# Altium PCB PCB.PcbDoc
Units mm, origin at the board's own origin, x right, y up, seen from the top; angles counter-clockwise.
Board outline 80 x 100 mm, 2 copper layers (Top Layer, Bottom Layer); 80 components, 52 nets, 339 pads, 13 vias.
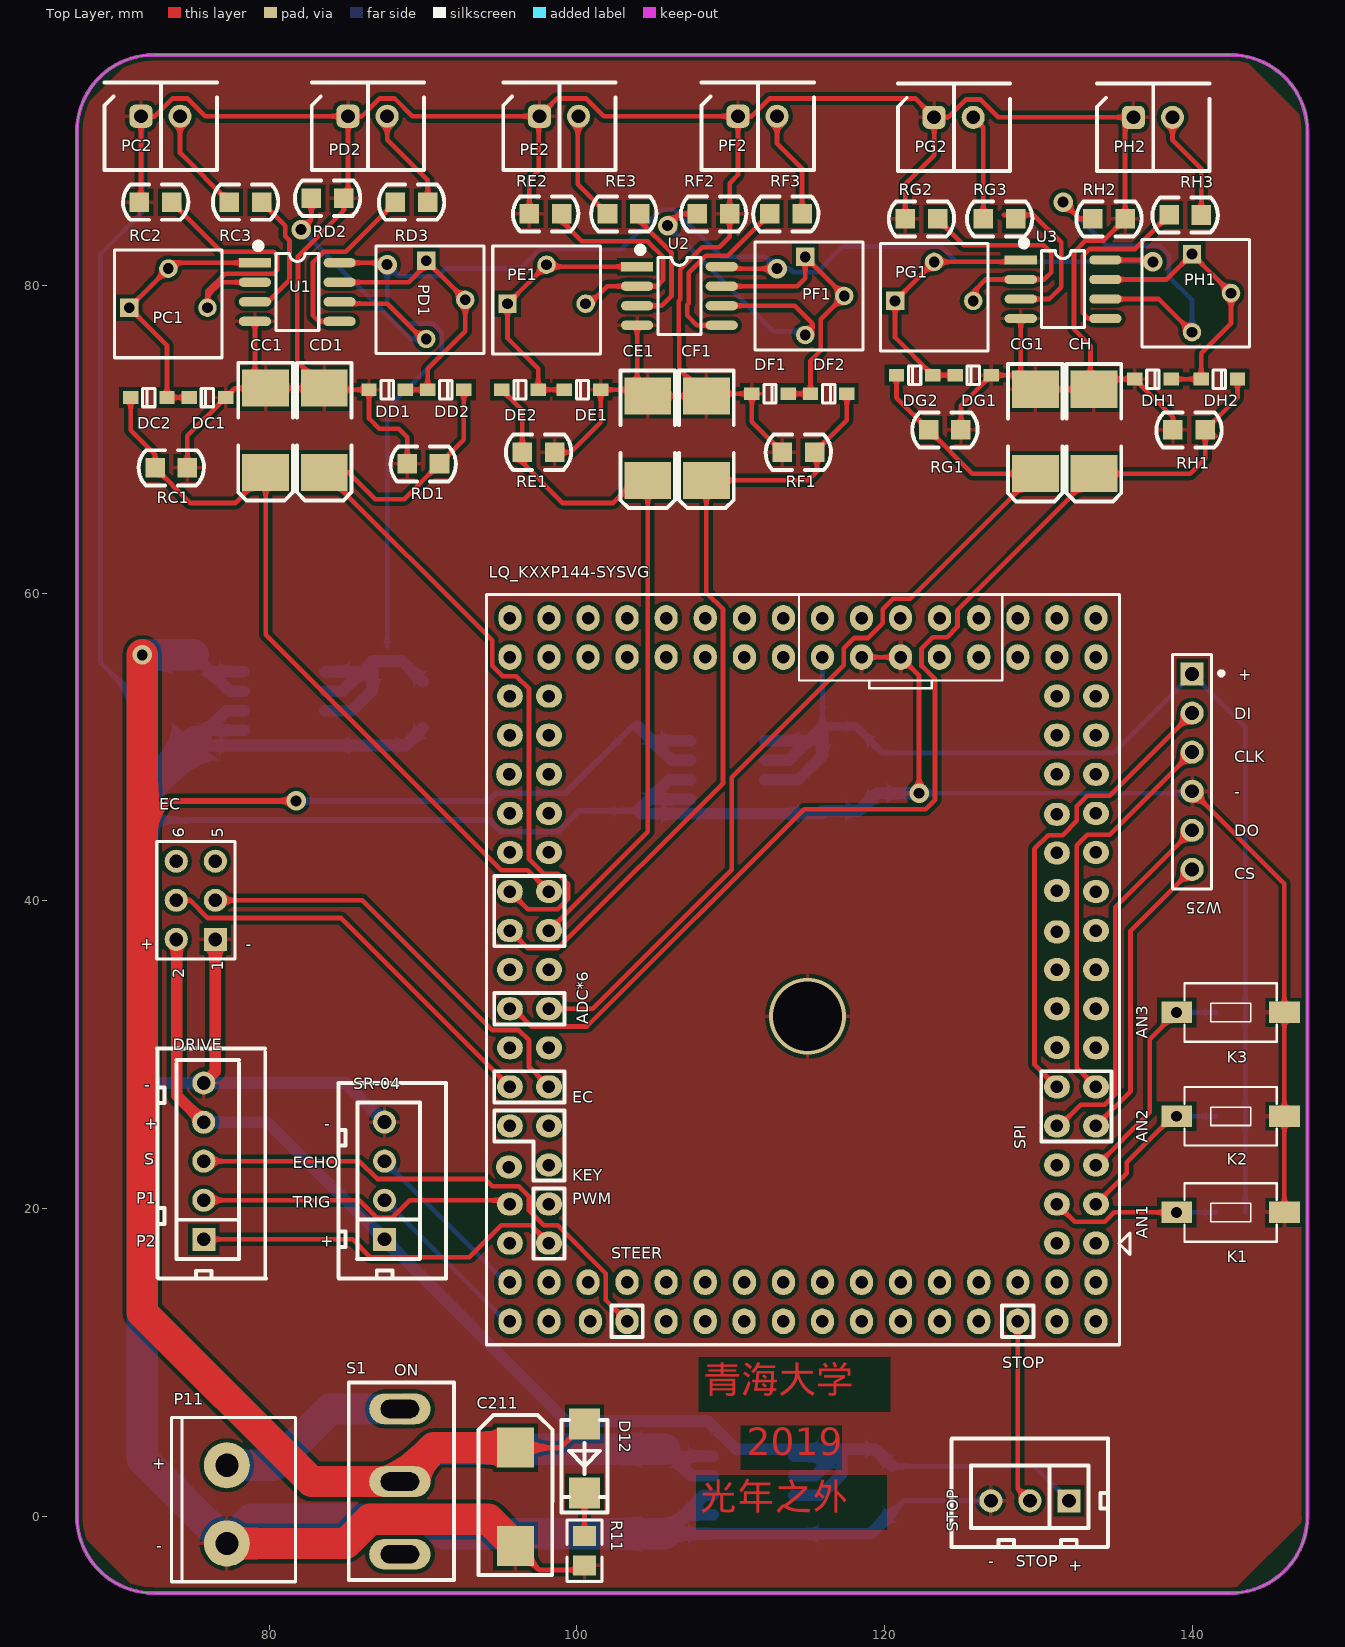
[diagram p0: Top Layer view]
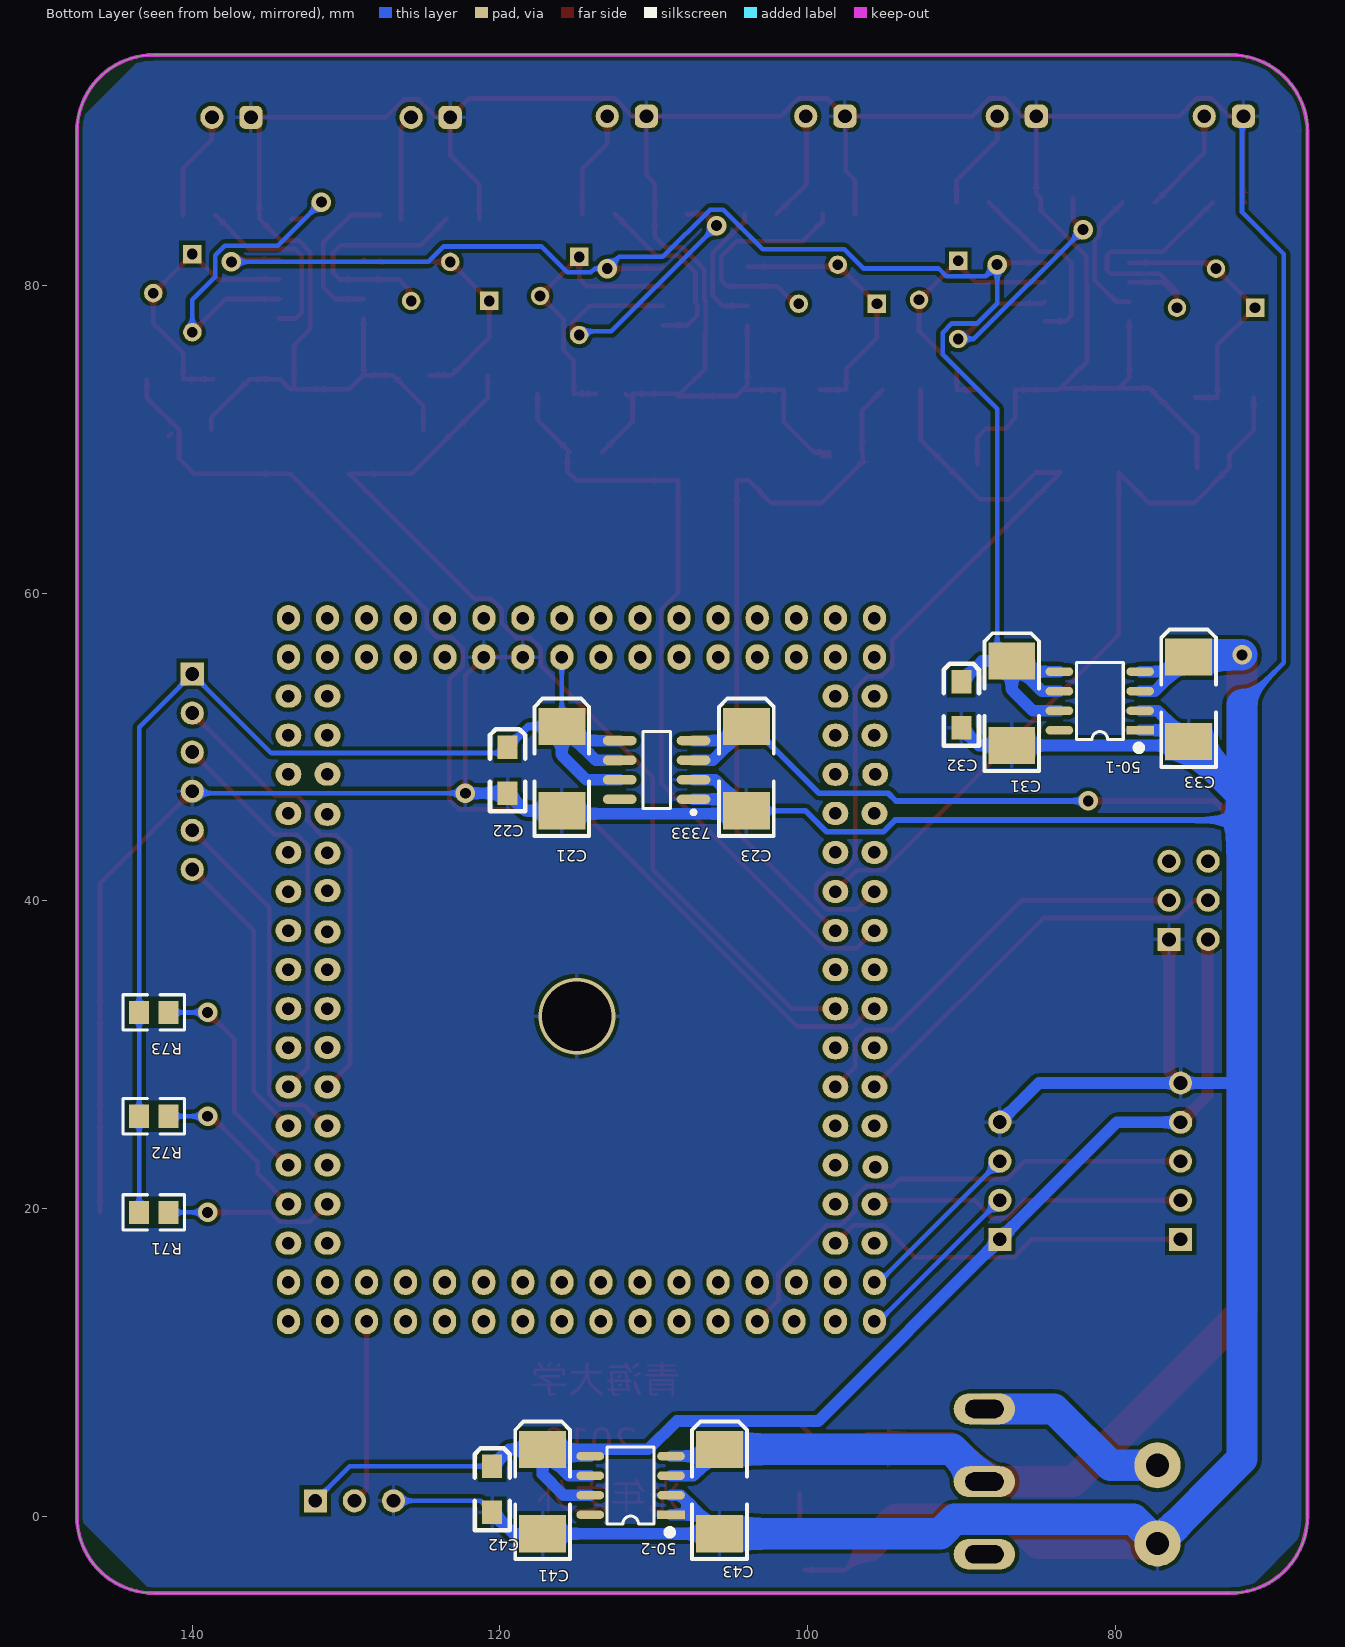
[diagram p1: Bottom Layer view, seen from below]
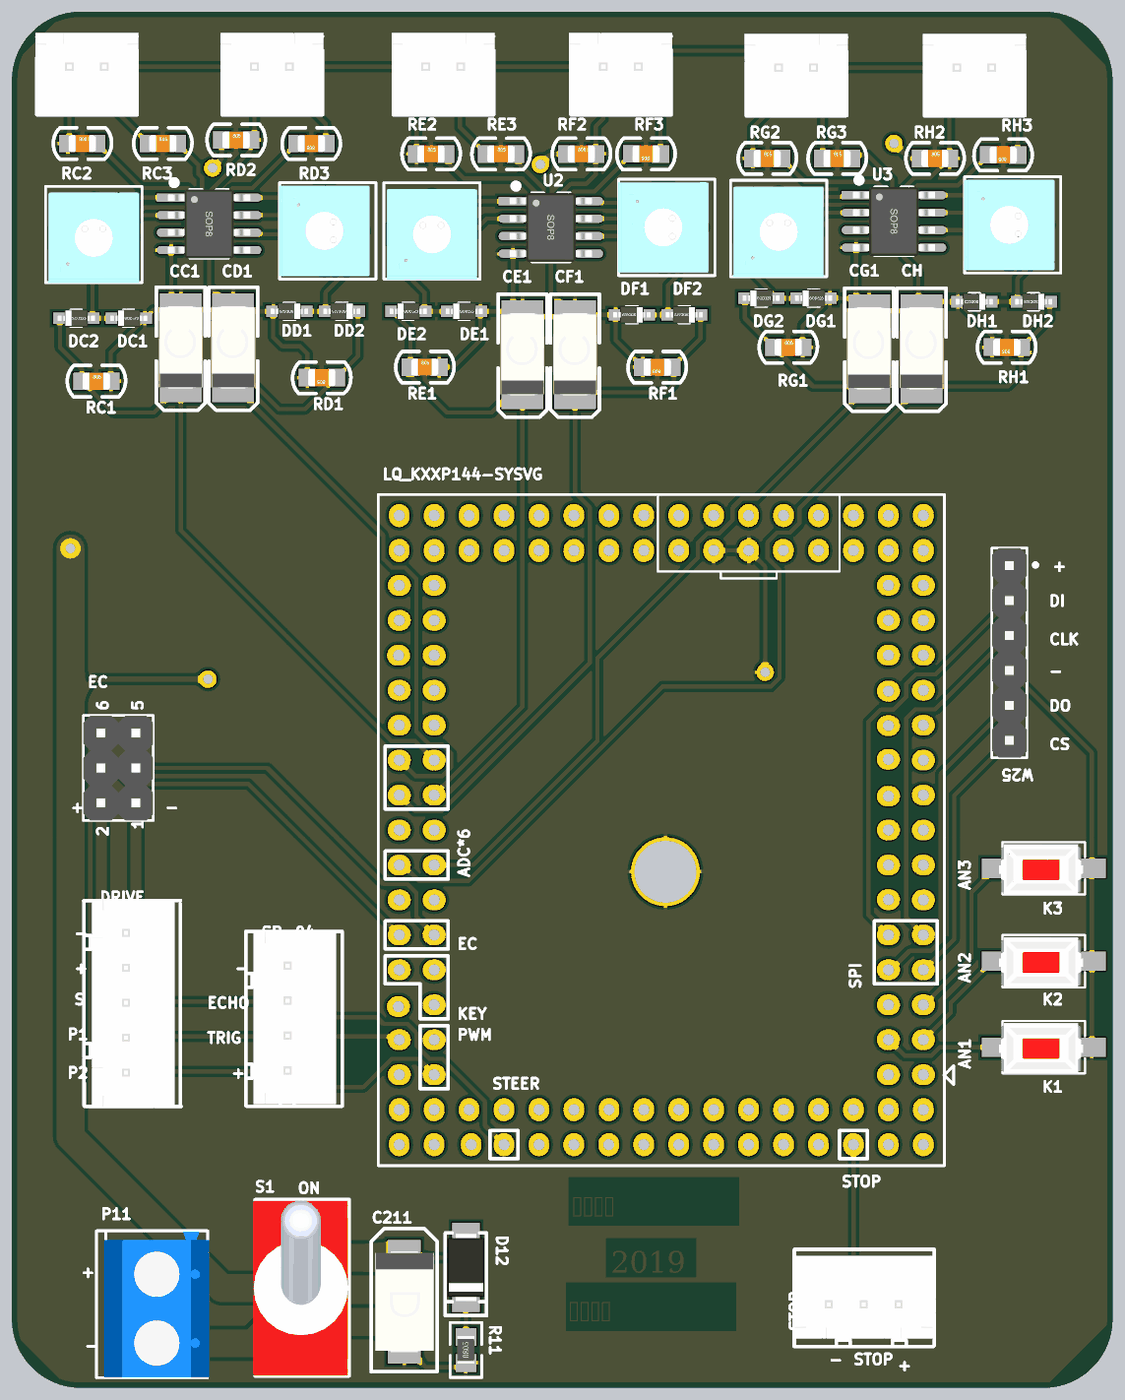
[diagram p2: 3D render of the assembled board from above, using the file's embedded part models]
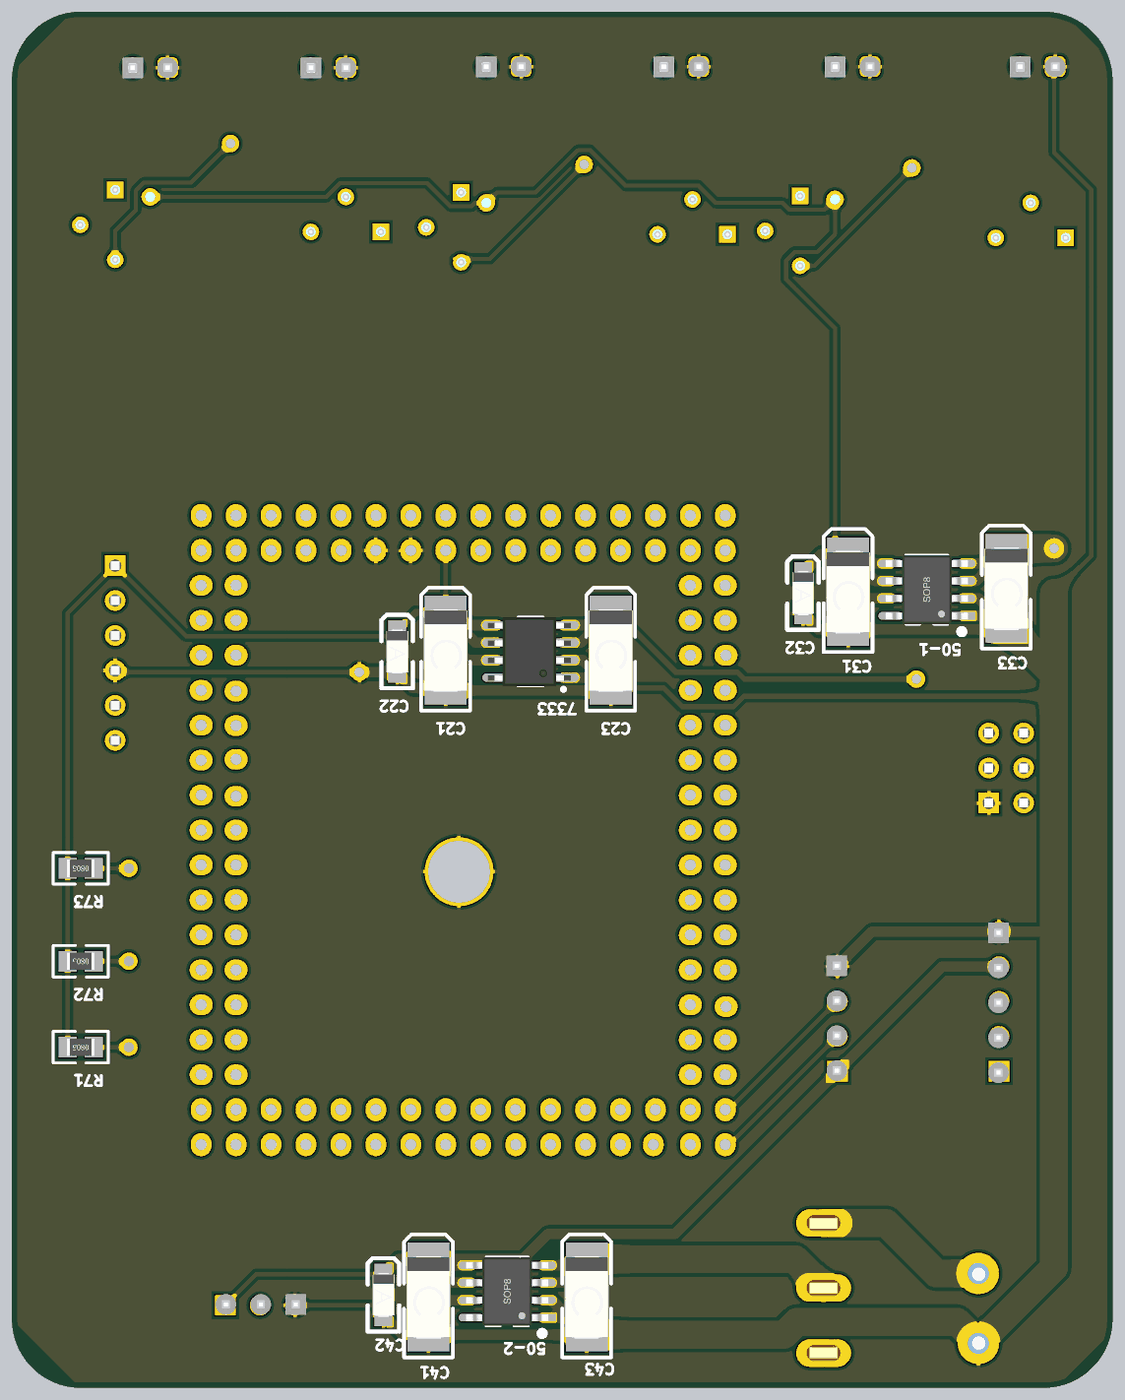
[diagram p3: 3D render of the assembled board from below, using the file's embedded part models]

## Layer stack, top to bottom
Top Solder: solder mask 0.0102, Solder Resist, Dk 3.5
Top Layer: signal copper 0.0356
Dielectric 1: dielectric 0.32, FR-4, Dk 4.8
Bottom Layer: signal copper 0.0356
Bottom Solder: solder mask 0.0102, Solder Resist, Dk 3.5

## Board outline
67.5,0 67.5,90 cw(c72.5,90) 72.5,95 142.5,95 cw(c142.5,90) 147.5,90 147.5,0 cw(c142.5,0) 142.5,-5 72.5,-5 cw(c72.5,0)

## Design rules (kind name [scope] priority, off if disabled: settings)
Clearance [All] p1: gap=0.254
HoleSize [All] p1 off: absolutevalues=TRUE maxlimit=2.54 minlimit=0.025 maxpercent=80.000 minpercent=20.000
MinimumSolderMaskSliver [All] p1 off: minsoldermaskwidth=0.254
PolygonConnect [All] p1: connectstyle=Relief reliefconductorwidth=0.254 reliefentries=4 polygonreliefangle="90 Angle" airgapwidth=0.254
RoutingVias [All] p1: holewidth=0.711 width=1.27 viastyle="Through Hole" minholewidth=0.711 minwidth=1.27 maxholewidth=0.711 maxwidth=1.27
SilkToBoardRegionClearance [All] p1 off:
SilkToSilkClearance [All] p1 off: silktosilkclearance=0.254
SilkToSolderMaskClearance [IsPad] p1 off: minsilkscreentomaskgap=0.254 clearancetoexposedcopper=TRUE
SolderMaskExpansion [All] p1: expansion=0.102
Width [All] p1: maxlimit=7.62 minlimit=0.127 preferedwidth=0.305
25 further rules are at their usual default settings.

## Classes and differential pairs
component class Sheet: 50-1 50-2 7333 AN1 AN2 AN3 C21 C22 C23 C31 C32 C33 C41 C42 C43 C211 CC1 CD1 CE1 CF1 D12 DC1 DC2 DD1 DD2 DE1 DE2 DF1 DF2 DG1 DG2 DH1 DH2 DRIVE EC LQ_KXXP144-SYSVG P11 PC1 PC2 PE1 PE2 PF2 PG1 PG2 PH1 PH2 R11 R71 R72 R73 RC1 RC2 RC3 RD1 RD2 RD3 RE1 RE2 RE3 RF1 RF2 RF3 RG1 RG2 RG3 RH1 RH2 RH3 S1 SR-04 STOP U1 U2 U3 W25

## Components (designator, comment, footprint, x,y, rotation, side; value= is the part's Value field where it differs from the comment)
50-1 "7350" SOP8_N 81,53 r0 bottom locked
50-2 "7350" SOP8_N 111.5,2 r0 bottom locked
7333 "7333" SO8_N 109.81,48.513 r0 bottom locked
AN1 "Button" SMT4*6*2.5 142.5,19.75 r180 top locked
AN2 "Button" SMT4*6*2.5 142.5,26 r180 top locked
AN3 "Button" SMT4*6*2.5 142.5,32.75 r180 top locked
C21 "Cap Pol3" C6032 116,48.5 r270 bottom locked
C22 "Cap Pol3" C3216 119.5,48.5 r270 bottom locked
C23 "Cap Pol3" C6032 104,48.5 r270 bottom locked
C31 "Cap Pol3" C6032 86.75,52.75 r270 bottom locked
C32 "Cap Pol3" C3216 90,52.75 r270 bottom locked
C33 "Cap Pol3" C6032 75.25,53 r270 bottom locked
C41 "Cap Pol3" C6032 117.25,1.5 r270 bottom locked
C42 "Cap Pol3" C3216 120.5,1.75 r270 bottom locked
C43 "Cap Pol3" C6032 105.75,1.5 r270 bottom locked
C211 "Cap Pol3" C7343 96,1.25 r270 top locked
CC1 "Cap Pol3" C6032 79.796,70.692 r90 top
CD1 "Cap Pol3" C6032 83.606,70.692 r90 top
CE1 "Cap Pol3" C6032 104.637,70.184 r90 top
CF1 "Cap Pol3" C6032 108.447,70.184 r90 top
CG1 "Cap Pol3" C6032 129.834,70.621 r90 top
CH "Cap Pol3" C6032 133.644,70.621 r90 top
D12 "LED1" SMA 100.5,3.75 r270 top locked
DC1 "4148" SOD-323 75.986,72.724 r0 top
DC2 "4148" SOD-323 72.176,72.724 r0 top
DD1 "4148" SOD-323 87.67,73.232 r180 top
DD2 "4148" SOD-323 91.48,73.232 r180 top
DE1 "4148" SOD-323 100.37,73.232 r0 top
DE2 "4148" SOD-323 96.306,73.232 r0 top
DF1 "4148" SOD-323 112.562,72.978 r180 top
DF2 "4148" SOD-323 116.372,72.978 r180 top
DG1 "4148" SOD-323 125.77,74.177 r0 top
DG2 "4148" SOD-323 121.96,74.177 r0 top
DH1 "4148" SOD-323 137.454,73.923 r180 top
DH2 "4148" SOD-323 141.772,73.923 r180 top
DRIVE "Header 5" HX2.54-5 75.75,18 r90 top locked
EC "Header 3X2" HDR2X3 76.5,37.5 r90 top locked
LQ_KXXP144-SYSVG "LQ_KXXP144-SYSVG" LQ_KXXP144-SYSVG 133.75,17.75 r90 top locked
P11 "Header 2" 2PIN-5.08B 77.25,-1.77 r90 top locked
PC1 "RPot" VR_B1 73.446,78.312 r0 top
PC2 "Header 2" HX2.54-2 71.668,91.012 r0 top
PD1 "RPot" VR_B1 89.956,79.074 r270 top
PD2 "Header 2" HX2.54-2 85.13,91.012 r0 top
PE1 "RPot" VR_B1 98.033,78.566 r0 top
PE2 "Header 2" HX2.54-2 97.576,91.012 r0 top
PF1 "RPot" VR_B1 114.594,79.328 r270 top
PF2 "Header 2" HX2.54-2 110.479,91.012 r0 top
PG1 "RPot" VR_B1 123.23,78.749 r0 top
PG2 "Header 2" HX2.54-2 123.23,90.941 r0 top
PH1 "RPot" VR_B1 139.74,79.511 r270 top
PH2 "Header 2" HX2.54-2 136.184,90.941 r0 top
R11 "Res3" R0805 100.5,-2.25 r90 top locked
R71 "Res3" R0805 142.5,19.75 r0 bottom locked
R72 "Res3" R0805 142.5,26 r0 bottom locked
R73 "Res3" R0805 142.5,32.75 r0 bottom locked
RC1 "Res Semi" C0805 72.43,68.152 r0 top
RC2 "Res Semi" C0805 71.414,85.424 r0 top
RC3 "Res Semi" C0805 77.256,85.424 r0 top
RD1 "Res Semi" C0805 91.226,68.406 r180 top
RD2 "Res Semi" C0805 82.59,85.678 r0 top
RD3 "Res Semi" C0805 90.464,85.424 r180 top
RE1 "Res Semi" C0805 96.306,69.168 r0 top
RE2 "Res Semi" C0805 96.763,84.662 r0 top
RE3 "Res Semi" C0805 101.843,84.662 r0 top
RF1 "Res Semi" C0805 115.61,69.168 r180 top
RF2 "Res Semi" C0805 107.685,84.662 r0 top
RF3 "Res Semi" C0805 114.797,84.662 r180 top
RG1 "Res Semi" C0805 122.722,70.621 r0 top
RG2 "Res Semi" C0805 121.198,84.337 r0 top
RG3 "Res Semi" C0805 126.278,84.337 r0 top
RH1 "Res Semi" C0805 141.01,70.621 r180 top
RH2 "Res Semi" C0805 133.39,84.337 r0 top
RH3 "Res Semi" C0805 140.756,84.591 r180 top
S1 "SW-SPST" SW-TO3 88.5,2.25 r180 top locked
SR-04 "Header 4" HX2.54-4 87.5,18 r90 top locked
STOP "Header 3" HX2.54-3 132,1 r180 top locked
U1 "LM358" SOP8_M 81.828,79.582 r0 top
U2 "LM358" SOP8_M 106.669,79.328 r0 top
U3 "LM358" SOP8_M 131.612,79.765 r0 top
W25 "MHDR1X6" HDR1X6 140,54.75 r270 top locked

## Footprints (in the part's own frame and the unit in brackets; to place one, negate y for a bottom-side part, rotate by r counter-clockwise, add the part's x,y. Pads: shape width x height; smd on the part's side, far side on the other; paste and mask are expansions set on the pad)
2PIN-5.08B [mm] "3A"
  round 3 hole 1.5: 1(0,0) 2(5.08,0)
  silkscreen extent -2.49,-4.47 8.18,3.61, body extent -2.48,-4.58 8.12,3.02, height 10
C0805 [mil]
  rect 50x50 smd: 1(6,0) 2(88.7,-0.1)
  silkscreen extent -36,-45 131,45, body extent 8,-24 87,25, height 30
C3216 [mil] "A型/1206"
  rect 60x51.18 smd: 1(-59,0) 2(59,0)
  silkscreen extent -105,-45 105,45, body extent -63,-31 63,32, height 63
C6032 [mil] "C型"
  rect 95x120 smd: 1(-112,1) 2(104,1)
  silkscreen extent -183,-69 169,71, body extent -121,-62 115,64, height 102
C7343 [mm] "D型"
  rect 2.6x2.4 smd: 1(-3.202,0.007) 2(3.198,0.007)
  silkscreen extent -5.32,-2.39 5.08,2.41, body extent -3.65,-2.12 3.65,2.18, height 2.9
HDR1X6 [mm] "Connector; Header; 6 Position"
  rect 1.5x1.5 hole 0.9: 1(0,0)
  round 1.5 hole 0.9: 2(2.54,0) 3(5.08,0) 4(7.62,0) 5(10.16,0) 6(12.7,0)
  silkscreen extent -1.27,-1.27 13.97,2.04, body extent -1.27,-1.27 13.97,1.27, height 8.54
HDR2X3 [mm] "Connector; Header; 3x2 Position"
  rect 1.5x1.5 hole 0.9: 1(0,0)
  round 1.5 hole 0.9: 2(0,2.54) 3(2.54,0) 4(2.54,2.54) 5(5.08,0) 6(5.08,2.54)
  silkscreen extent -1.27,-1.27 6.35,3.81, body extent -1.27,-1.27 6.35,3.81, height 8.54
HX2.54-2 [mm] "两针白色插座（已加焊）"
  rrect50% 1.5x1.5 hole 0.9: 1(0,0)
  round 1.5 hole 0.9: 2(2.54,0)
  silkscreen extent -2.36,-3.5 4.94,2.2, body extent -2.48,-3.55 5.02,2.45, height 7
HX2.54-3 [mm]
  rect 1.5x1.5 hole 0.9: 1(0,0)
  round 1.5 hole 0.9: 2(2.54,0) 3(5.08,0)
  silkscreen extent -2.54,-4.06 7.63,3, body extent -2.41,-3.58 7.59,2.42, height 7
HX2.54-4 [mm]
  rect 1.5x1.5 hole 0.9: 1(0,0)
  round 1.5 hole 0.9: 2(2.54,0) 3(5.08,0) 4(7.62,0)
  silkscreen extent -2.54,-4 10.16,3, body extent -2.4,-3.56 10.12,2.44, height 7
HX2.54-5 [mm]
  rect 1.5x1.5 hole 0.9: 1(0,0)
  round 1.5 hole 0.9: 2(2.54,0) 3(5.08,0) 4(7.607,0.006) 5(10.16,0)
  silkscreen extent -2.55,-4.06 12.42,3.05, body extent -2.56,-3.56 12.52,2.44, height 7.51
LQ_KXXP144-SYSVG [mil]
  oval 59x66 hole 32: 1(0,0) 2(0,100) 3(100,0) 4(100,100) 5(200,0) 6(200,100) 7(300,0) 8(300,100) 9(400,0) 10(400,100) 11(500,0) 12(500.79,100) 13(600,0) 14(600,100) 15(700,0) 16(700,100) 17(800,0) 18(796.85,100) 19(900,0) 20(902.36,100) 21(1000,0) 22(998.82,100) 23(1100,0) 24(1097.64,100) 25(1200,0) 26(1200.39,100) 27(1300,0) 28(1300,100) 29(1400,0) 30(1400.39,100) 63(1400,1500) 64(1400,1400) 65(1300,1500) 66(1300,1400) 67(1200,1501.97) 68(1200,1400) 69(1100,1500) 70(1100,1400) 71(1000,1500) 72(1000,1400) 73(900,1500) 74(900,1400) 75(800,1500) 76(800,1400) 77(700,1500) 78(700,1400) 79(600,1500) 80(600,1400) 81(500,1500) 82(500,1400) 83(400,1500) 84(400,1400) 85(300,1500) 86(300,1400) 87(194.88,1502.36) 88(200,1400) 89(100,1500) 90(100,1400) 91(0,1500) 92(0,1400)
  oval 66x59 hole 32: 31(1500,0) 32(1600,0) 33(1500,100) 34(1600,100) 35(1500,200) 36(1600,200) 37(1500,300) 38(1600,300) 39(1500,400.79) 40(1600,400) 41(1500,500) 42(1600,500.39) 43(1500,600) 44(1600,600) 45(1500,700) 46(1600,700) 47(1500,800) 48(1600,800) 49(1500,900) 50(1600,900) 51(1500,1000) 52(1600,1000) 53(1500,1100) 54(1600,1100) 55(1500,1200) 56(1600,1200) 57(1500,1300) 58(1600,1300) 59(1500,1400) 60(1600,1400) 61(1500,1500) 62(1600,1500) 93(-100,1500) 94(-200,1500) 95(-100,1400) 96(-200,1400) 97(-100,1300) 98(-200,1294.09) 99(-100,1200) 100(-200,1200) 101(-100,1100) 102(-200,1100) 103(-100,1000) 104(-200,1000) 105(-100,899.61) 106(-200,900.39) 107(-100,800) 108(-200,800) 109(-100,700) 110(-200,700) 111(-100,600) 112(-200,600) 113(-100,500) 114(-200,500) 115(-100,400) 116(-200,400) 117(-100,300) 118(-200,300) 119(-100,200) 120(-200,200) 121(-100,100) 122(-200,100) 123(-100,0) 124(-200,0)
  silkscreen extent -260,-87 1660,1560
R0805 [mm]
  rect 1.3x1.5 smd: 1(-0.95,0) 2(0.95,0)
  silkscreen extent -2,-1.15 2,1.15, body extent -1,-0.63 1,0.63, height 0.55
SMA [mm]
  rect 2x2 smd: 1(-2.25,0) 2(2.25,0)
  silkscreen extent -2.5,-1.5 3.5,1.5, body extent -2.5,-1.35 2.5,1.35, height 2.15
SMT4*6*2.5 [mm]
  rect 2x1.4 smd: 1(-3.5,0) 2(3.5,0)
  silkscreen extent -3,-1.9 3,1.9, body extent -2.85,-1.75 3.25,1.95, height 2.5
SO8_N [mm] "SOIC, 8-Leads, Body 4.9x3.9mm, Pitch 1.27mm, IPC Medium Density"
  oval 2.2x0.6 smd: 1(-2.4,1.905) 2(-2.4,0.635) 3(-2.4,-0.635) 4(-2.4,-1.905) 5(2.4,-1.905) 6(2.4,-0.635) 7(2.4,0.635) 8(2.4,1.905)
  silkscreen extent -2.52,-2.5 0.9,2.88, body extent -2.94,-2.48 3.1,2.54, height 1.6
SOD-323 [mm]
  rect 1x0.83 smd: 1(1.18,0) 2(-1.18,0)
  silkscreen extent -0.4,-0.6 0.4,0.6, body extent -1.35,-0.62 1.35,0.63, height 1.1
SOP8_M [mm] "5*6*1.8mm（长宽高）"
  rect 2.1x0.6 smd: 1(-2.75,1.905)
  oval 2.1x0.6 smd: 2(-2.75,0.635) 3(-2.75,-0.635) 4(-2.75,-1.905) 5(2.75,-1.905) 6(2.75,-0.635) 7(2.75,0.635) 8(2.75,1.905)
  silkscreen extent -2.69,-2.5 1.4,3.15, body extent -3,-2.5 3,2.5, height 1.9
SOP8_N [mm] "5*6*1.8mm（长宽高）"
  rect 1.8x0.55 smd: 1(-2.625,1.905)
  oval 1.8x0.55 smd: 2(-2.625,0.635) 3(-2.625,-0.635) 4(-2.625,-1.905) 5(2.625,-1.905) 6(2.625,-0.635) 7(2.625,0.635) 8(2.625,1.905)
  silkscreen extent -2.69,-2.5 1.52,3.2, body extent -3,-2.5 3,2.5, height 1.9
SW-TO3 [mm]
  oval 4x2 hole 1.2 slot 2.5 at 0 deg: 1(0,-4.724) 2(0,0) 3(0,4.724)
  silkscreen extent -3.5,-6.43 3.33,6.39, body extent -3.43,-6.36 3.43,6.35, height 28.55
VR_B1 [mm] "Potentiometer; 3 Leads"
  rect 1.2x1.2 hole 0.7: 1(-2.54,0.254)
  round 1.2 hole 0.7: 2(0,2.794) 3(2.54,0.254)
  silkscreen extent -3.5,-3 3.5,4, body extent -3.3,-3.05 3.3,3.55, height 4.4

## Part data
C21 C22 C23 C31 C32 C33 C41 C42 C43 C211 CC1 CD1 CE1 CF1 CG1 CH: "Polarized Capacitor (Surface Mount)"
D12: library part LED3, "Typical BLUE SiC LED"
DC1 DC2 DD1 DD2 DE1 DE2 DF1 DF2 DG1 DG2 DH1 DH2: library part Diode, "Default Diode"
DRIVE: "Header, 5-Pin"
EC: "Header, 3-Pin, Dual row"
P11 PC2 PD2 PE2 PF2 PG2 PH2: "Header, 2-Pin"
PC1 PD1 PE1 PF1 PG1 PH1: "精密可调电阻"
R11 R71 R72 R73: "Resistor"
RC1 RC2 RC3 RD1 RD2 RD3 RE1 RE2 RE3 RF1 RF2 RF3 RG1 RG2 RG3 RH1 RH2 RH3: "Semiconductor Resistor"
S1: "Single-Pole, Single-Throw Switch"
SR-04: "Header, 4-Pin"
STOP: "Header, 3-Pin"
W25: "Header, 6-Pin"

## Via types
v1: diameter 1.27, hole 0.711, Top Layer to Bottom Layer, 12 vias
v2: diameter 5, hole 4.5, Top Layer to Bottom Layer, 1 vias

## Nets (pads, with @x,y where several pads share a name; then routed paths per layer and width w, separated by ;. In a path a pad name is that pad's centre, name@x,y a point inside that pad or via, vN(x,y) a via of type N, cw(c..) or ccw(c..) an arc to the next point about the centre after c; other vN are vias at no path point)
5V: 50-2.5 50-2.6 50-2.7 C41.1 C42.1 DRIVE.4 EC.2 SR-04.1 STOP.1 | length 90.8
  Top Layer w0.762: EC.2 74,37.46 74,27.351 DRIVE.4
  Bottom Layer w0.305: C42.1 129.751,3.249 STOP.1
  Bottom Layer w0.762: DRIVE.4 79.893,25.607 SR-04.1 99.314,6.186 108.506,6.186 110.347,4.345 C41.1 ; 50-2.7 115.865,1.365 117.225,2.725 C41.1 ; 50-2.6 115.515,2.635 C41.1@116.785,3.905 ; 50-2.5 C41.1@116.785,3.905 ; C42.1 119.404,4.345 C41.1 ; C41.1@116.785,3.905 C41.1
ADC1_SE10: CC1.1 DC2.2 LQ_KXXP144-SYSVG.74 RC1.1 | length 50.1
  Top Layer w0.305: DC2.2 70.996,70.602 72.582,69.016 RC1.1 74.868,65.866 77.789,65.866 CC1.1 79.771,57.306 95.082,41.994 96.806,41.994 LQ_KXXP144-SYSVG.74
ADC1_SE11: CD1.1 DD2.2 LQ_KXXP144-SYSVG.73 RD1.1 | length 54.5
  Top Layer w0.305: DD2.2 92.66,69.992 RD1.1 88.788,66.12 86.908,66.12 85.181,67.847 CD1.1 94.494,56.933 94.494,55.282 95.171,54.605 96.078,54.605 96.895,53.789 96.895,42.722 97.851,41.766 98.758,41.766 99.435,41.089 99.435,40.131 98.758,39.454 96.818,39.454 95.663,40.61 LQ_KXXP144-SYSVG.73
ADC1_SE12: CE1.1 DE2.2 LQ_KXXP144-SYSVG.76 RE1.1 | length 46.9
  Top Layer w0.305: DE2.2 96.458,71.9 RE1.1 ; RE1.1@96.408,68.965 96.408,68.558 99.1,65.866 102.351,65.866 103.824,67.339 CE1.1 104.612,44.492 LQ_KXXP144-SYSVG.76
ADC1_SE13: CF1.1 DF2.2 LQ_KXXP144-SYSVG.75 RF1.1 | length 52.3
  Top Layer w0.305: LQ_KXXP144-SYSVG.75 95.663,38.07 96.818,36.914 98.758,36.914 109.506,47.662 109.506,58.958 108.422,60.042 CF1.1 115.051,67.339 115.61,67.898 115.61,69.016 RF1.1 117.552,71.262 DF2.2
ADC1_SE14: CG1.1 DG2.2 LQ_KXXP144-SYSVG.80 RG1.1 | length 63.3
  Top Layer w0.305: LQ_KXXP144-SYSVG.80 101.022,32.99 110.065,42.033 110.065,48.032 117.354,55.322 117.354,56.418 118.031,57.095 118.938,57.095 119.884,58.041 119.884,58.958 120.561,59.635 121.667,59.635 CG1.1 125.719,67.776 RG1.1 120.78,72.715 DG2.2
ADC1_SE15: CH.1 DH2.2 LQ_KXXP144-SYSVG.79 RH1.1 | length 74.9
  Top Layer w0.305: LQ_KXXP144-SYSVG.79 95.908,32.99 97.068,31.83 97.072,31.834 100.657,31.834 114.781,45.959 122.681,45.959 123.291,46.569 123.291,54.399 122.414,55.276 122.414,56.418 123.142,57.145 124.069,57.145 124.746,57.822 124.746,58.903 CH.1 139.872,67.776 140.858,68.762 RH1.1 142.952,72.715 DH2.2 ; RH1.1@141.366,70.367 141.518,70.215
CLK: LQ_KXXP144-SYSVG.9 W25.3 | length 26.2
  Top Layer w0.305: LQ_KXXP144-SYSVG.9 132.5,29.16 132.5,43.623 133.182,44.306 134.636,44.306 W25.3
CS: LQ_KXXP144-SYSVG.7 W25.6 | length 19.3
  Top Layer w0.305: LQ_KXXP144-SYSVG.7 136,27.62 136,38.05 W25.6
DI: LQ_KXXP144-SYSVG.10 W25.2 | length 30.6
  Top Layer w0.305: LQ_KXXP144-SYSVG.10 129.75,29.37 129.75,43.383 130.642,44.276 131.579,44.276 132.505,45.202 132.505,46.169 133.182,46.846 134.636,46.846 W25.2
DO: LQ_KXXP144-SYSVG.8 W25.5 | length 23.9
  Top Layer w0.305: LQ_KXXP144-SYSVG.8 131.37,25.37 132.754,26.754 134.318,26.754 134.995,27.431 134.995,39.585 W25.5
ECA: EC.3 LQ_KXXP144-SYSVG.84 | length 27.7
  Top Layer w0.305: EC.3 86.06,40.04 94.494,31.606 96.218,31.606 96.895,30.929 96.895,29.205 LQ_KXXP144-SYSVG.84
ECB: EC.4 LQ_KXXP144-SYSVG.83 | length 26.7
  Top Layer w0.305: EC.4 74.865,40.04 76.021,38.884 84.676,38.884 LQ_KXXP144-SYSVG.83
ECHO: LQ_KXXP144-SYSVG.93 SR-04.3 | length 11.4
  Bottom Layer w0.305: SR-04.3 95.37,15.21 LQ_KXXP144-SYSVG.93
GND: 50-1.1 50-1.2 50-2.1 50-2.2 7333.1 7333.2 AN1.1 AN2.1 AN3.1 C21.2 C22.2 C23.2 C31.2 C32.2 C33.2 C41.2 C42.2 C43.2 C211.2 CC1.2 CD1.2 CE1.2 CF1.2 CG1.2 CH.2 DC1.1 DD1.1 DE1.1 DF1.1 DG1.1 DH1.1 DRIVE.5 EC.1 LQ_KXXP144-SYSVG.41 LQ_KXXP144-SYSVG.43 P11.1 PC2.1 PD2.1 PE2.1 PF2.1 PG2.1 PH2.1 R11.1 RC1.2 RC2.1 RD1.2 RD2.2 RE1.2 RE2.1 RF1.2 RF2.2 RG1.2 RG2.1 RH1.2 RH2.2 SR-04.4 STOP.3 U1.4 U2.4 U3.4 W25.4 | length 576.7
  Top Layer w0.305: RC2.1 71.668,85.526 PC2.1 72.573,91.012 73.729,92.168 74.687,92.168 75.843,91.012 PD2.1 ; RC1.2 74.683,70.241 DC1.1 77.776,73.334 CC1.2 ; U1.4 79.078,74.026 CC1.2 ; RD1.2 88.973,70.151 88.432,70.692 87.162,70.692 86.49,71.364 DD1.1 83.682,73.232 CD1.2 ; C211.2 97.559,-3.5 R11.1@100.2,-3.5 ; RE2.1 96.916,86.846 97.525,87.456 PE2.1@97.525,91.012 ; PE2.1@97.271,91.52 PE2.1@97.525,91.266 ; PE2.1@97.576,91.012 PE2.1@97.525,91.012 ; PE2.1 98.732,92.168 100.595,92.168 101.751,91.012 PF2.1 ; RE1.2@98.559,68.911 RE1.2@99.016,68.911 ; RE1.2 99.605,69.165 101.55,71.11 DE1.1 CE1.2@104.205,73.232 ; U2.4 103.919,73.518 CE1.2@104.205,73.232 ; DF1.1@111.687,72.826 DF1.1@111.839,72.978 ; RF1.2 111.382,71.146 DF1.1 108.574,72.978 CF1.2 ; LQ_KXXP144-SYSVG.43 LQ_KXXP144-SYSVG.41 122.25,54.65 v1(122.25,47) ; RG2.1 121.35,86.592 123.23,88.472 PG2.1 ; RG1.2 124.975,72.202 DG1.1 CG1.2@128.894,74.177 ; U3.4 128.862,74.209 CG1.2@128.894,74.177 ; RH1.2 138.757,71.44 DH1.1 134.279,73.923 CH.2 CH.2@133.39,73.263 ; W25.4 146,41.13 AN3.1 AN2.1 AN1.1 ; CC1.2 CD1.2 ; CD1.2 81.828,75.086 81.828,80.062 81.879,80.113 81.879,81.919 84.843,84.883 RD2.2 85.13,85.962 PD2.1 ; PD2.1 86.035,91.012 87.191,92.168 88.149,92.168 89.305,91.012 PE2.1@97.525,91.012 ; CE1.2@104.205,73.232 CE1.2 CF1.2 ; CF1.2 106.669,74.578 106.669,76.793 106.618,76.844 106.618,78.995 106.72,79.097 106.72,81.073 108.145,82.498 109.262,82.498 109.938,83.174 RF2.2 109.938,86.661 110.479,87.202 PF2.1 ; PF2.1 111.384,91.012 112.54,92.168 122.003,92.168 PG2.1 ; PG2.1 124.135,90.941 125.291,92.097 126.249,92.097 127.405,90.941 PH2.1 135.643,90.4 RH2.2 134.244,82.935 133.088,82.935 132.323,82.17 132.323,77.154 133.39,76.087 CH.2@133.39,73.263 ; CG1.2@128.894,74.177 CG1.2 CH.2@133.39,73.263
  Top Layer w0.762: DRIVE.5 76.5,28.91 EC.1
  Top Layer w2.032: P11.1 84.994,-1.77 86.56,-0.204 94.263,-0.204 C211.2
  Bottom Layer w0.305: PC2.1 71.75,90.93 71.75,84.769 69.036,82.055 69.036,55.481 71.75,52.767 ; C42.2 121.249,1 STOP.3 ; v1@122.249,47.001 v1(122.25,47) 139.87,47 W25.4
  Bottom Layer w0.381: 71.75,45.25 94.313,45.25 95.067,44.496 98.773,44.496 100.136,45.858 C23.2
  Bottom Layer w0.762: 71.91,28.16 DRIVE.5 84.96,28.16 SR-04.4 ; 50-1.1 C33.2@75.961,51.095 ; 50-1.2 77.231,52.365 C33.2@75.961,51.095 ; C32.2 88.857,50.108 C31.2 75.475,50.108 C33.2 C33.2@75.961,51.095 ; 7333.1 C23.2@104.724,46.608 ; 7333.2 105.994,47.878 C23.2@104.724,46.608 ; 50-2.1 106.961,0.095 ; 50-2.2 108.231,1.365 106.961,0.095 ; C42.2 119.107,-1.142 C41.2 C43.2 106.961,0.095 ; v1@122.249,47.001 C22.2 118.357,45.858 C21.2 115.975,45.673 104.16,45.673 C23.2 C23.2@104.724,46.608
  Bottom Layer w2.032: 71.75,52.767 71.75,46.884 ; C33.2 71.75,46.884 ; C43.2 91.377,-1.142 90.44,-0.204 78.816,-0.204 P11.1 71.75,3.73 71.75,45.25 71.75,46.884
  other v2: 115,32.5
KEY1: AN1.2 LQ_KXXP144-SYSVG.4 R71.1 | length 11.1
  Top Layer w0.305: LQ_KXXP144-SYSVG.4 132.366,19.134 134.318,19.134 134.933,19.75 v1(139,19.75)
  Bottom Layer w0.305: v1(139,19.75) R71.1
KEY2: AN2.2 LQ_KXXP144-SYSVG.3 R72.1 | length 10.6
  Top Layer w0.305: LQ_KXXP144-SYSVG.3 135.75,22.29 135.75,23 138.75,26 v1(139,26)
  Bottom Layer w0.305: v1(139,26) R72.1
KEY3: AN3.2 LQ_KXXP144-SYSVG.5 R73.1 | length 14.7
  Top Layer w0.305: LQ_KXXP144-SYSVG.5 133.83,22.83 137.25,26.25 137.25,31 v1(139,32.75)
  Bottom Layer w0.305: v1(139,32.75) R73.1
NetD12_2: D12.2 R11.2 | length 2.8
  Top Layer w0.305: R11.2 D12.2
NetDC1_2: DC1.2 DC2.1 PC1.1 PC1.2 U1.1 | length 17.7
  Top Layer w0.305: DC1.2 DC2.1 73.356,76.116 PC1.1 PC1.2 73.827,81.487 U1.1
NetDD1_2: DD1.2 DD2.1 PD1.1 PD1.2 U1.7 | length 18.3
  Top Layer w0.305: U1.7 89.067,80.217 90.21,81.36 PD1.1 PD1.2 92.75,77.042 90.3,74.592 DD2.1 DD1.2
NetDE1_2: DE1.2 DE2.1 PE1.1 PE1.2 U2.1 | length 17.6
  Top Layer w0.305: DE1.2 DE2.1 97.486,74.592 95.493,76.585 PE1.1 PE1.2 98.16,81.233 U2.1
NetDF1_2: DF1.2 DF2.1 PF1.1 PF1.2 U2.7 | length 19.3
  Top Layer w0.305: U2.7 114.34,79.963 114.848,80.471 PF1.1 PF1.2 115.864,77.804 115.864,75.782 115.192,75.11 DF2.1 DF1.2
NetDG1_2: DG1.2 DG2.1 PG1.1 PG1.2 U3.1 | length 16.6
  Top Layer w0.305: DG1.2 DG2.1 120.69,76.627 PG1.1 PG1.2 128.735,81.543 U3.1
NetDH1_2: DH1.2 DH2.1 PH1.1 PH1.2 U3.7 | length 18.3
  Top Layer w0.305: U3.7 138.343,80.4 PH1.1 PH1.2 142.534,77.55 140.592,75.608 DH2.1 DH1.2
NetP11_2: P11.2 S1.1 | length 12.8
  Bottom Layer w2.032: P11.2 80.31,3.31 83.974,6.974 S1.1
NetPC1_3: PC1.3 RC2.2 U1.2 | length 18.9
  Top Layer w0.305: RC2.2 76.895,82.193 80.296,82.193 80.534,81.955 80.534,81.019 80.296,80.781 77.137,80.781 75.986,79.63 75.986,79.328 ; PC1.3 75.986,79.328 ; U1.2 76.875,80.217 75.986,79.328
NetPC2_2: PC2.2 RC3.1 | length 6.9
  Top Layer w0.305: PC2.2 74.208,88.624 RC3.1
NetPD1_3: PD1.3 RD2.1 U1.6 | length 20
  Top Layer w0.305: v1(82.082,83.646) 82.742,84.306 RD2.1 ; U1.6 84.705,78.82 87.67,78.82 89.956,76.534 PD1.3
  Bottom Layer w0.305: v1(82.082,83.646) 89.194,76.534 PD1.3
NetPD2_2: PD2.2 RD3.1 | length 6.7
  Top Layer w0.305: PD2.2 87.67,89.488 90.312,86.846 RD3.1
NetPE1_3: PE1.3 RE2.2 U2.2 | length 15.3
  Top Layer w0.305: RE2.2@99.04,84.636 RE2.2 99.016,84.187 100.319,82.884 104.609,82.884 104.623,82.87 104.623,82.847 105.602,81.868 105.602,80.344 105.221,79.963 U2.2 101.97,79.963 100.827,78.82 PE1.3
NetPE2_2: PE2.2 RE3.1 | length 7.1
  Top Layer w0.305: PE2.2@100.065,91.012 100.065,86.592 RE3.1
NetPF1_3: PF1.3 RF2.1 U2.6 | length 21.4
  Top Layer w0.305: v1(105.907,83.9) 106.669,84.662 RF2.1 ; U2.6 114.162,78.693 115.305,77.55 PF1.3@115.305,77.042
  Bottom Layer w0.305: v1(105.907,83.9) 112.765,77.042 PF1.3@115.305,77.042
NetPF2_2: PF2.2 RF3.1 | length 7
  Top Layer w0.305: PF2.2 113.019,89.234 114.645,87.608 RF3.1
NetPG1_3: PG1.3 RG2.2 U3.2 | length 15.8
  Top Layer w0.305: RG2.2 125.155,82.63 130.342,82.63 130.85,82.122 130.85,80.852 130.398,80.4 U3.2 126.588,80.4 125.77,79.582 PG1.3
NetPG2_2: PG2.2 RG3.1 | length 6.9
  Top Layer w0.305: PG2.2 126.43,90.281 RG3.1
NetPH1_3: PH1.3 RH2.1 U3.6 | length 22.8
  Top Layer w0.305: v1(131.612,85.424) 132.699,84.337 RH2.1 ; U3.6 137.835,79.13 PH1.3
  Bottom Layer w0.305: v1(131.612,85.424) 134.452,82.584 137.885,82.584 138.495,81.974 138.495,80.573 139.994,79.074 PH1.3
NetPH2_2: PH2.2 RH3.1 | length 7.1
  Top Layer w0.305: PH2.2 138.724,89.488 140.604,87.608 RH3.1
NetRC3_2: RC3.2 U1.3 | length 8.6
  Top Layer w0.305: U1.3 79.923,78.947 81.32,80.344 81.32,82.935 81.041,83.215 81.041,83.89 RC3.2
NetRD3_2: RD3.2 U1.5 | length 12.3
  Top Layer w0.305: U1.5 83.225,77.677 82.844,78.058 82.844,81.502 83.535,82.193 84.978,82.193 RD3.2
NetRE3_2: RE3.2 U2.3 | length 8.7
  Top Layer w0.305: U2.3 105.526,78.693 106.161,79.328 106.161,82.122 104.096,84.187 RE3.2
NetRF3_2: RF3.2 U2.5 | length 12.2
  Top Layer w0.305: U2.5 107.812,77.423 107.177,78.058 107.177,78.763 107.279,78.865 107.279,80.842 108.377,81.939 109.819,81.939 RF3.2
NetRG3_2: RG3.2 U3.3 | length 10.3
  Top Layer w0.305: 127.769,84.588 129.71,84.588 131.485,82.813 131.485,79.892 130.723,79.13 U3.3
NetRH3_2: RH3.2 U3.5 | length 12.1
  Top Layer w0.305: U3.5 133.263,77.86 132.882,78.241 132.882,81.939 133.319,82.376 136.286,82.376 RH3.2
PWM1: DRIVE.2 LQ_KXXP144-SYSVG.89 | length 21
  Top Layer w0.305: DRIVE.2 85.865,20.54 87.021,19.384 87.979,19.384 89.135,20.54 95.4,20.54 LQ_KXXP144-SYSVG.89
PWM2: DRIVE.1 LQ_KXXP144-SYSVG.92 | length 24.3
  Top Layer w0.305: DRIVE.1 85.425,18 86.582,16.844 93.02,16.844 95.082,18.906 97.034,18.906 LQ_KXXP144-SYSVG.92
STEER: DRIVE.3 LQ_KXXP144-SYSVG.100 | length 33.4
  Top Layer w0.305: DRIVE.3 85.865,23.08 87.021,21.924 94.016,21.924 94.494,21.446 96.218,21.446 96.895,20.769 96.895,19.862 97.851,18.906 98.758,18.906 101.886,15.778 101.886,14.054 LQ_KXXP144-SYSVG.100
STOP: LQ_KXXP144-SYSVG.120 STOP.2 | length 12
  Top Layer w0.305: LQ_KXXP144-SYSVG.120 128.67,1.79 STOP.2
TRIG: LQ_KXXP144-SYSVG.94 SR-04.2 | length 11.4
  Bottom Layer w0.305: SR-04.2 95.37,12.67 LQ_KXXP144-SYSVG.94
VB: 50-1.3 50-1.4 50-2.3 50-2.4 7333.3 7333.4 C23.1 C33.1 C43.1 C211.1 D12.1 S1.2 | length 153.9
  Top Layer w0.305: C211.1 98.952,4.452 D12.1
  Top Layer w0.381: 71.75,44.75 73.5,46.5 v1(81.75,46.5)
  Top Layer w2.032: v1(71.75,56) 71.75,44.75 71.75,13.25 82.75,2.25 S1.2 90.702,4.452 C211.1
  Bottom Layer w0.305: C23.1@103.595,51.345 C23.1
  Bottom Layer w0.381: v1(81.75,46.5) 94.25,46.5 94.75,47 99.25,47 C23.1@103.595,51.345
  Bottom Layer w0.508: C43.1 C43.1@106.164,3.905
  Bottom Layer w0.762: C33.1 C33.1@76.164,54.905 ; 50-1.3 77.434,53.635 C33.1@76.164,54.905 ; 50-1.4 C33.1@76.164,54.905 ; C23.1 C23.1@104.901,50.418 ; 7333.3 106.171,49.148 C23.1@104.901,50.418 ; 7333.4 C23.1@104.901,50.418 ; 50-2.3 107.434,2.635 106.164,3.905 50-2.4
  Bottom Layer w1.016: C33.1@75.069,56 C33.1
  Bottom Layer w2.032: v1(71.75,56) C33.1@75.069,56 ; S1.2 90.595,4.345 C43.1
VCC: 7333.5 7333.6 7333.7 C21.1 C22.1 LQ_KXXP144-SYSVG.45 R71.2 R72.2 R73.2 W25.1 | length 81.6
  Bottom Layer w0.305: C21.1 LQ_KXXP144-SYSVG.45@115.975,55.845 ; C22.1 119.884,49.614 134.864,49.614 W25.1 143.45,51.3 R73.2 R72.2 R71.2
  Bottom Layer w0.508: C21.1 118.154,51.345 C22.1
  Bottom Layer w0.762: 7333.7 114.378,47.878 115.975,49.475 C21.1 C21.1@115.048,50.418 ; 7333.6 113.778,49.148 C21.1@115.048,50.418 ; 7333.5 C21.1@115.048,50.418
VDD: 50-1.5 50-1.6 50-1.7 C31.1 C32.1 U1.8 U2.8 U3.8 | length 109
  Top Layer w0.305: U1.8 87.543,81.487 v1(87.67,81.36) ; U2.8 109.546,81.106 v1(113.019,81.106) ; U3.8 137.327,81.67 v1(137.454,81.543)
  Bottom Layer w0.305: C31.1@87.67,56.54 87.67,71.981 91.216,75.528 91.216,76.951 90.627,77.54 88.978,77.54 87.67,78.848 v1(87.67,81.36) 88.422,80.608 90.978,80.608 91.486,81.116 96.366,81.116 97.616,82.366 102.901,82.366 105.476,84.941 106.339,84.941 109.412,81.868 112.257,81.868 v1(113.019,81.106) 113.835,81.106 114.08,80.862 115.616,80.862 117.304,82.549 123.647,82.549 124.653,81.543 v1(137.454,81.543)
  Bottom Layer w0.762: 50-1.7 85.365,52.365 86.725,53.725 C31.1 ; 50-1.6 84.765,53.635 C31.1@86.035,54.905 ; 50-1.5 C31.1@86.035,54.905 ; C32.1 88.654,55.595 C31.1 ; C31.1@86.035,54.905 C31.1
pads on no net: 50-1.8 50-2.8 7333.8 EC.5 EC.6 LQ_KXXP144-SYSVG.1 LQ_KXXP144-SYSVG.2 LQ_KXXP144-SYSVG.6 LQ_KXXP144-SYSVG.11 LQ_KXXP144-SYSVG.12 LQ_KXXP144-SYSVG.13 LQ_KXXP144-SYSVG.14 LQ_KXXP144-SYSVG.15 LQ_KXXP144-SYSVG.16 LQ_KXXP144-SYSVG.17 LQ_KXXP144-SYSVG.18 LQ_KXXP144-SYSVG.19 LQ_KXXP144-SYSVG.20 LQ_KXXP144-SYSVG.21 LQ_KXXP144-SYSVG.22 LQ_KXXP144-SYSVG.23 LQ_KXXP144-SYSVG.24 LQ_KXXP144-SYSVG.25 LQ_KXXP144-SYSVG.26 LQ_KXXP144-SYSVG.27 LQ_KXXP144-SYSVG.28 LQ_KXXP144-SYSVG.29 LQ_KXXP144-SYSVG.30 LQ_KXXP144-SYSVG.31 LQ_KXXP144-SYSVG.32 LQ_KXXP144-SYSVG.33 LQ_KXXP144-SYSVG.34 LQ_KXXP144-SYSVG.35 LQ_KXXP144-SYSVG.36 LQ_KXXP144-SYSVG.37 LQ_KXXP144-SYSVG.38 LQ_KXXP144-SYSVG.39 LQ_KXXP144-SYSVG.40 LQ_KXXP144-SYSVG.42 LQ_KXXP144-SYSVG.44 LQ_KXXP144-SYSVG.46 LQ_KXXP144-SYSVG.47 LQ_KXXP144-SYSVG.48 LQ_KXXP144-SYSVG.49 LQ_KXXP144-SYSVG.50 LQ_KXXP144-SYSVG.51 LQ_KXXP144-SYSVG.52 LQ_KXXP144-SYSVG.53 LQ_KXXP144-SYSVG.54 LQ_KXXP144-SYSVG.55 LQ_KXXP144-SYSVG.56 LQ_KXXP144-SYSVG.57 LQ_KXXP144-SYSVG.58 LQ_KXXP144-SYSVG.59 LQ_KXXP144-SYSVG.60 LQ_KXXP144-SYSVG.61 LQ_KXXP144-SYSVG.62 LQ_KXXP144-SYSVG.63 LQ_KXXP144-SYSVG.64 LQ_KXXP144-SYSVG.65 LQ_KXXP144-SYSVG.66 LQ_KXXP144-SYSVG.67 LQ_KXXP144-SYSVG.68 LQ_KXXP144-SYSVG.69 LQ_KXXP144-SYSVG.70 LQ_KXXP144-SYSVG.71 LQ_KXXP144-SYSVG.72 LQ_KXXP144-SYSVG.77 LQ_KXXP144-SYSVG.78 LQ_KXXP144-SYSVG.81 LQ_KXXP144-SYSVG.82 LQ_KXXP144-SYSVG.85 LQ_KXXP144-SYSVG.86 LQ_KXXP144-SYSVG.87 LQ_KXXP144-SYSVG.88 LQ_KXXP144-SYSVG.90 LQ_KXXP144-SYSVG.91 LQ_KXXP144-SYSVG.95 LQ_KXXP144-SYSVG.96 LQ_KXXP144-SYSVG.97 LQ_KXXP144-SYSVG.98 LQ_KXXP144-SYSVG.99 LQ_KXXP144-SYSVG.101 LQ_KXXP144-SYSVG.102 LQ_KXXP144-SYSVG.103 LQ_KXXP144-SYSVG.104 LQ_KXXP144-SYSVG.105 LQ_KXXP144-SYSVG.106 LQ_KXXP144-SYSVG.107 LQ_KXXP144-SYSVG.108 LQ_KXXP144-SYSVG.109 LQ_KXXP144-SYSVG.110 LQ_KXXP144-SYSVG.111 LQ_KXXP144-SYSVG.112 LQ_KXXP144-SYSVG.113 LQ_KXXP144-SYSVG.114 LQ_KXXP144-SYSVG.115 LQ_KXXP144-SYSVG.116 LQ_KXXP144-SYSVG.117 LQ_KXXP144-SYSVG.118 LQ_KXXP144-SYSVG.119 LQ_KXXP144-SYSVG.121 LQ_KXXP144-SYSVG.122 LQ_KXXP144-SYSVG.123 LQ_KXXP144-SYSVG.124 S1.3

## Polygon pours and split planes (outlines as drawn)
GND on Top Layer "Bottom Layer-No Net" (solid, remove dead copper, pour order 2): 71.203,94.84 67.5,91.137 67.5,90 67.5,-0.879 67.596,-0.975 71.621,-5 72.5,-5 142.5,-5 147.5,0 147.511,0 147.511,90.611 147.468,90.654 143.111,95.011 142.5,95.011 72.511,95.011 72.5,95 70,95
GND on Bottom Layer "Bottom Layer-No Net" (solid, remove dead copper, pour order 4): 71.203,94.84 70.998,94.84 67.765,91.607 67.596,91.438 67.596,-0.975 71.525,-4.904 71.621,-5 142.5,-5 147.5,0 147.404,0.096 147.404,90.975 147.146,90.975 143.154,94.968 143.122,95 72.5,95

## Keep-outs
Keep-Out Layer:
  the board outline again, w0.254

## Other copper
Top Layer:
  text "青海大学" at 108.244,7.446 h3.05
  text "2019" at 111.038,3.382 h3.05
  text "光年之外" at 107.99,-0.174 h3.05

## Silkscreen, mask and mechanical layers (free items; w line width, h text height)
Top Overlay:
  text "+" at 143.002,54.356 h0.76
  text "DI" at 142.748,51.816 h0.76
  text "CLK" at 142.748,49.022 h0.76
  text "-" at 142.748,46.736 h0.76
  text "DO" at 142.748,44.196 h0.76
  text "CS" at 142.748,41.402 h0.76
  text "+" at 71.628,36.83 h0.76
  text "-" at 78.486,36.83 h0.76
  text "K3" at 142.24,29.464 h0.76
  text "-" at 71.882,27.686 h0.76
  text "+" at 71.882,25.146 h0.76
  text "-" at 83.566,25.146 h0.76
  text "S" at 71.882,22.86 h0.76
  text "K2" at 142.24,22.86 h0.76
  text "ECHO" at 81.534,22.606 h0.76
  text "P1" at 71.374,20.32 h0.76
  text "TRIG" at 81.534,20.066 h0.76
  text "P2" at 71.374,17.526 h0.76
  text "+" at 83.312,17.526 h0.76
  text "K1" at 142.24,16.51 h0.76
  text "ON" at 88.138,9.144 h0.76
  text "+" at 72.39,3.048 h0.76
  text "-" at 72.644,-2.286 h0.76
  text "+" at 132.08,-2.794 h0.76 r270
  text "-" at 126.746,-3.302 h0.76
  text "STOP" at 128.524,-3.302 h0.76

## Text inside footprints (layer, text, board x,y; h text height)
EC: Top Overlay "6" at 74.468,44.104 h0.76 r90; Top Overlay "5" at 77.008,44.104 h0.76 r90; Top Overlay "2" at 74.468,34.96 h0.76 r90; Top Overlay "1" at 77.008,35.468 h0.76 r90
LQ_KXXP144-SYSVG: Top Overlay "SPI" at 129.178,23.846 h0.76 r90; Top Overlay "ADC*6" at 100.73,31.974 h0.76 r90; Top Overlay "EC" at 99.714,26.894 h0.76; Top Overlay "STOP" at 127.654,9.622 h0.76; Top Overlay "STEER" at 102.254,16.734 h0.76; Top Overlay "PWM" at 99.714,20.29 h0.76; Top Overlay "KEY" at 99.714,21.814 h0.76